# Altium PCB PCB_v2.PcbDoc (part 1 of 2) (continued)
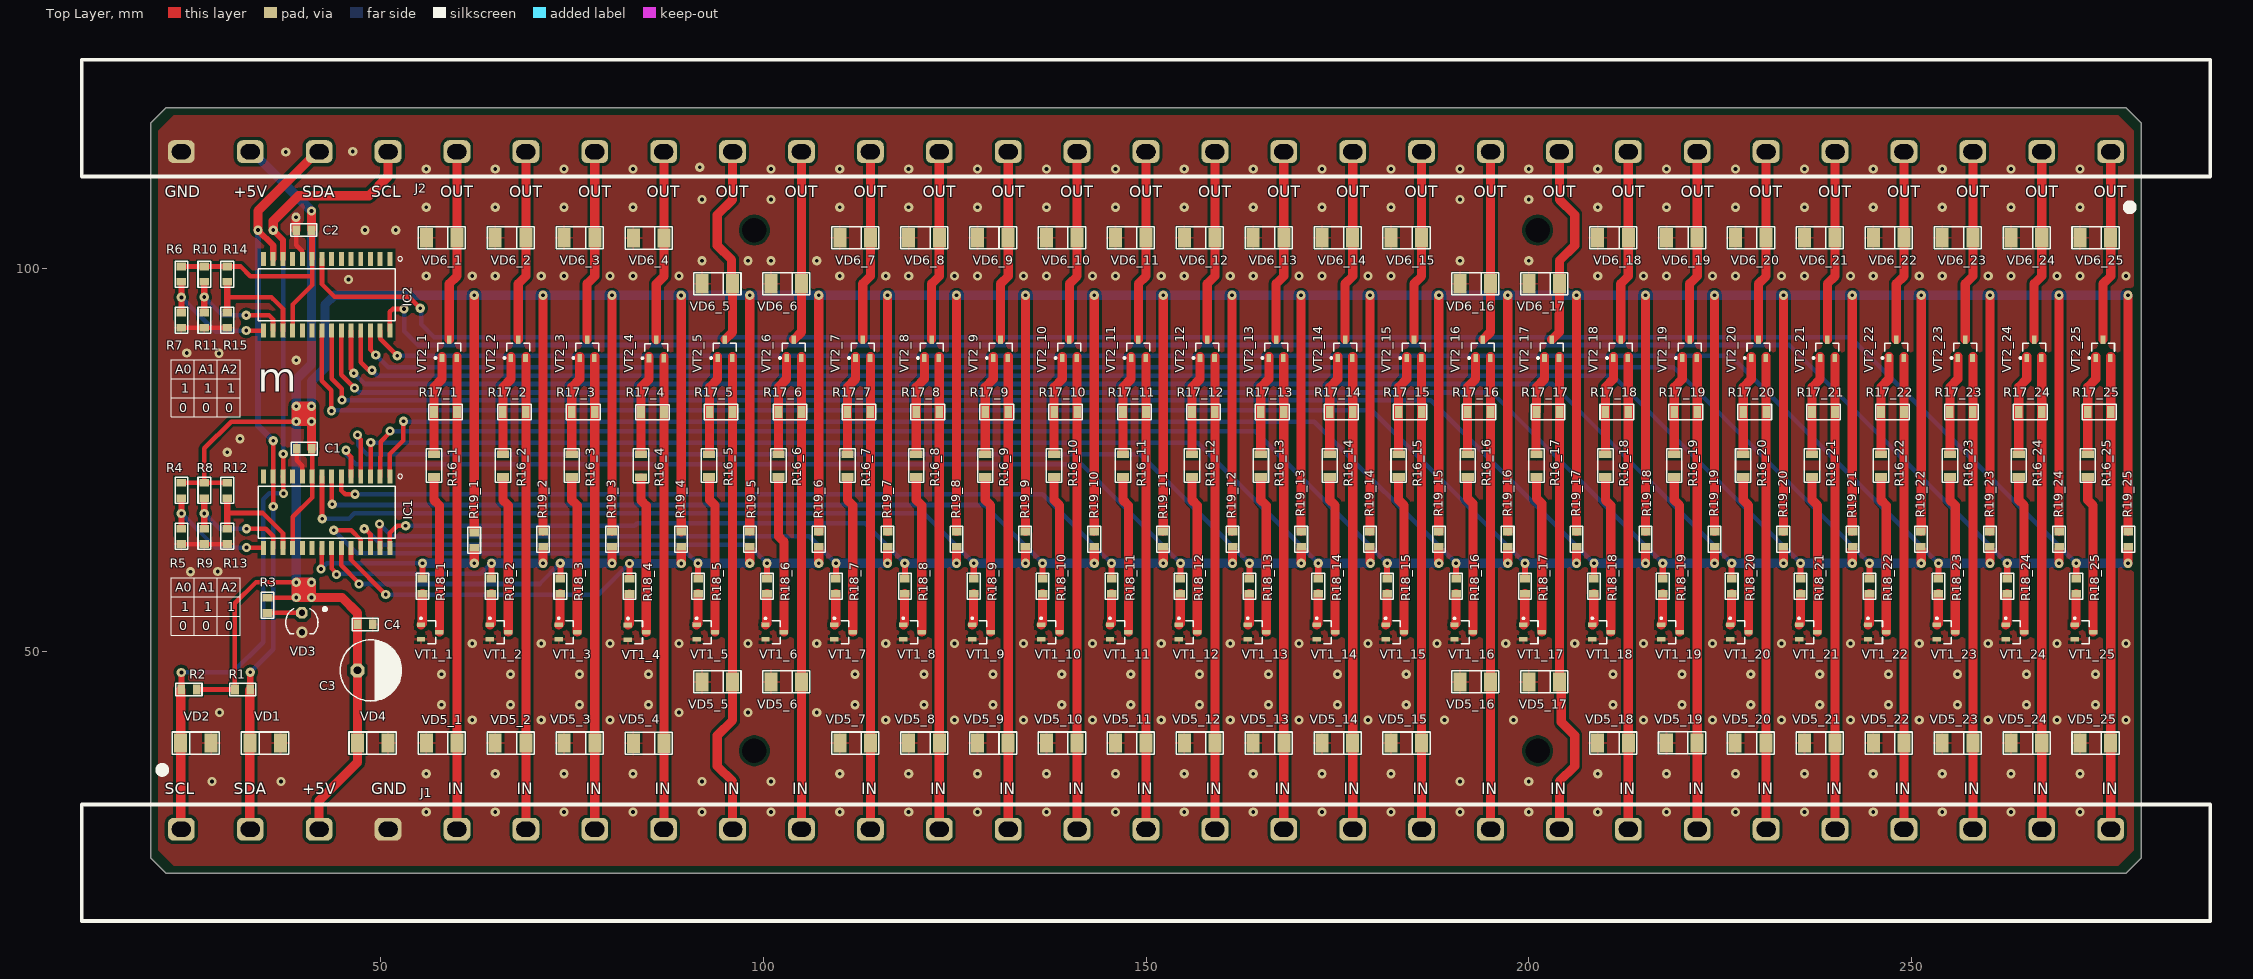
[diagram p0: Top Layer view]
## Components (designator, comment, footprint, x,y, rotation, side; value= is the part's Value field where it differs from the comment) (continued)
R17_14 "Resistor film, 10K, ±5%, 1206, 0.25W, -55...+125°C" "RES: 1206" 175.5,81.25 r180 top value=10K (schematic designator R17)
R17_15 "Resistor film, 10K, ±5%, 1206, 0.25W, -55...+125°C" "RES: 1206" 184.5,81.25 r180 top value=10K (schematic designator R17)
R17_16 "Resistor film, 10K, ±5%, 1206, 0.25W, -55...+125°C" "RES: 1206" 193.5,81.25 r180 top value=10K (schematic designator R17)
R17_17 "Resistor film, 10K, ±5%, 1206, 0.25W, -55...+125°C" "RES: 1206" 202.5,81.25 r180 top value=10K (schematic designator R17)
R17_18 "Resistor film, 10K, ±5%, 1206, 0.25W, -55...+125°C" "RES: 1206" 211.5,81.25 r180 top value=10K (schematic designator R17)
R17_19 "Resistor film, 10K, ±5%, 1206, 0.25W, -55...+125°C" "RES: 1206" 220.5,81.25 r180 top value=10K (schematic designator R17)
R17_20 "Resistor film, 10K, ±5%, 1206, 0.25W, -55...+125°C" "RES: 1206" 229.5,81.25 r180 top value=10K (schematic designator R17)
R17_21 "Resistor film, 10K, ±5%, 1206, 0.25W, -55...+125°C" "RES: 1206" 238.5,81.25 r180 top value=10K (schematic designator R17)
R17_22 "Resistor film, 10K, ±5%, 1206, 0.25W, -55...+125°C" "RES: 1206" 247.5,81.25 r180 top value=10K (schematic designator R17)
R17_23 "Resistor film, 10K, ±5%, 1206, 0.25W, -55...+125°C" "RES: 1206" 256.5,81.25 r180 top value=10K (schematic designator R17)
R17_24 "Resistor film, 10K, ±5%, 1206, 0.25W, -55...+125°C" "RES: 1206" 265.5,81.25 r180 top value=10K (schematic designator R17)
R17_25 "Resistor film, 10K, ±5%, 1206, 0.25W, -55...+125°C" "RES: 1206" 274.5,81.25 r180 top value=10K (schematic designator R17)
R18_1 "Resistor film, 1K, ±5%, 0805, 0.125W, -55...+125°C" "RES: 0805" 55.5,58.5 r270 top value=1K (schematic designator R18)
R18_2 "Resistor film, 1K, ±5%, 0805, 0.125W, -55...+125°C" "RES: 0805" 64.5,58.5 r270 top value=1K (schematic designator R18)
R18_3 "Resistor film, 1K, ±5%, 0805, 0.125W, -55...+125°C" "RES: 0805" 73.5,58.5 r270 top value=1K (schematic designator R18)
R18_4 "Resistor film, 1K, ±5%, 0805, 0.125W, -55...+125°C" "RES: 0805" 82.535,58.475 r270 top value=1K (schematic designator R18)
R18_5 "Resistor film, 1K, ±5%, 0805, 0.125W, -55...+125°C" "RES: 0805" 91.5,58.5 r270 top value=1K (schematic designator R18)
R18_6 "Resistor film, 1K, ±5%, 0805, 0.125W, -55...+125°C" "RES: 0805" 100.5,58.5 r270 top value=1K (schematic designator R18)
R18_7 "Resistor film, 1K, ±5%, 0805, 0.125W, -55...+125°C" "RES: 0805" 109.5,58.5 r270 top value=1K (schematic designator R18)
R18_8 "Resistor film, 1K, ±5%, 0805, 0.125W, -55...+125°C" "RES: 0805" 118.5,58.5 r270 top value=1K (schematic designator R18)
R18_9 "Resistor film, 1K, ±5%, 0805, 0.125W, -55...+125°C" "RES: 0805" 127.5,58.5 r270 top value=1K (schematic designator R18)
R18_10 "Resistor film, 1K, ±5%, 0805, 0.125W, -55...+125°C" "RES: 0805" 136.5,58.5 r270 top value=1K (schematic designator R18)
R18_11 "Resistor film, 1K, ±5%, 0805, 0.125W, -55...+125°C" "RES: 0805" 145.5,58.5 r270 top value=1K (schematic designator R18)
R18_12 "Resistor film, 1K, ±5%, 0805, 0.125W, -55...+125°C" "RES: 0805" 154.5,58.5 r270 top value=1K (schematic designator R18)
R18_13 "Resistor film, 1K, ±5%, 0805, 0.125W, -55...+125°C" "RES: 0805" 163.5,58.5 r270 top value=1K (schematic designator R18)
R18_14 "Resistor film, 1K, ±5%, 0805, 0.125W, -55...+125°C" "RES: 0805" 172.5,58.5 r270 top value=1K (schematic designator R18)
R18_15 "Resistor film, 1K, ±5%, 0805, 0.125W, -55...+125°C" "RES: 0805" 181.5,58.5 r270 top value=1K (schematic designator R18)
R18_16 "Resistor film, 1K, ±5%, 0805, 0.125W, -55...+125°C" "RES: 0805" 190.5,58.5 r270 top value=1K (schematic designator R18)
R18_17 "Resistor film, 1K, ±5%, 0805, 0.125W, -55...+125°C" "RES: 0805" 199.5,58.5 r270 top value=1K (schematic designator R18)
R18_18 "Resistor film, 1K, ±5%, 0805, 0.125W, -55...+125°C" "RES: 0805" 208.5,58.5 r270 top value=1K (schematic designator R18)
R18_19 "Resistor film, 1K, ±5%, 0805, 0.125W, -55...+125°C" "RES: 0805" 217.5,58.5 r270 top value=1K (schematic designator R18)
R18_20 "Resistor film, 1K, ±5%, 0805, 0.125W, -55...+125°C" "RES: 0805" 226.5,58.5 r270 top value=1K (schematic designator R18)
R18_21 "Resistor film, 1K, ±5%, 0805, 0.125W, -55...+125°C" "RES: 0805" 235.5,58.5 r270 top value=1K (schematic designator R18)
R18_22 "Resistor film, 1K, ±5%, 0805, 0.125W, -55...+125°C" "RES: 0805" 244.5,58.5 r270 top value=1K (schematic designator R18)
R18_23 "Resistor film, 1K, ±5%, 0805, 0.125W, -55...+125°C" "RES: 0805" 253.5,58.5 r270 top value=1K (schematic designator R18)
R18_24 "Resistor film, 1K, ±5%, 0805, 0.125W, -55...+125°C" "RES: 0805" 262.5,58.5 r270 top value=1K (schematic designator R18)
R18_25 "Resistor film, 1K, ±5%, 0805, 0.125W, -55...+125°C" "RES: 0805" 271.5,58.5 r270 top value=1K (schematic designator R18)
R19_1 "Resistor film, 1K, ±5%, 0805, 0.125W, -55...+125°C" "RES: 0805" 62.25,64.5 r90 top value=1K (schematic designator R19)
R19_2 "Resistor film, 1K, ±5%, 0805, 0.125W, -55...+125°C" "RES: 0805" 71.25,64.64 r90 top value=1K (schematic designator R19)
R19_3 "Resistor film, 1K, ±5%, 0805, 0.125W, -55...+125°C" "RES: 0805" 80.25,64.64 r90 top value=1K (schematic designator R19)
R19_4 "Resistor film, 1K, ±5%, 0805, 0.125W, -55...+125°C" "RES: 0805" 89.275,64.64 r90 top value=1K (schematic designator R19)
R19_5 "Resistor film, 1K, ±5%, 0805, 0.125W, -55...+125°C" "RES: 0805" 98.254,64.64 r90 top value=1K (schematic designator R19)
R19_6 "Resistor film, 1K, ±5%, 0805, 0.125W, -55...+125°C" "RES: 0805" 107.251,64.64 r90 top value=1K (schematic designator R19)
R19_7 "Resistor film, 1K, ±5%, 0805, 0.125W, -55...+125°C" "RES: 0805" 116.256,64.64 r90 top value=1K (schematic designator R19)
R19_8 "Resistor film, 1K, ±5%, 0805, 0.125W, -55...+125°C" "RES: 0805" 125.266,64.64 r90 top value=1K (schematic designator R19)
R19_9 "Resistor film, 1K, ±5%, 0805, 0.125W, -55...+125°C" "RES: 0805" 134.204,64.64 r90 top value=1K (schematic designator R19)
R19_10 "Resistor film, 1K, ±5%, 0805, 0.125W, -55...+125°C" "RES: 0805" 143.243,64.64 r90 top value=1K (schematic designator R19)
R19_11 "Resistor film, 1K, ±5%, 0805, 0.125W, -55...+125°C" "RES: 0805" 152.216,64.64 r90 top value=1K (schematic designator R19)
R19_12 "Resistor film, 1K, ±5%, 0805, 0.125W, -55...+125°C" "RES: 0805" 161.312,64.64 r90 top value=1K (schematic designator R19)
R19_13 "Resistor film, 1K, ±5%, 0805, 0.125W, -55...+125°C" "RES: 0805" 170.269,64.64 r90 top value=1K (schematic designator R19)
R19_14 "Resistor film, 1K, ±5%, 0805, 0.125W, -55...+125°C" "RES: 0805" 179.247,64.64 r90 top value=1K (schematic designator R19)
R19_15 "Resistor film, 1K, ±5%, 0805, 0.125W, -55...+125°C" "RES: 0805" 188.25,64.64 r90 top value=1K (schematic designator R19)
R19_16 "Resistor film, 1K, ±5%, 0805, 0.125W, -55...+125°C" "RES: 0805" 197.243,64.64 r90 top value=1K (schematic designator R19)
R19_17 "Resistor film, 1K, ±5%, 0805, 0.125W, -55...+125°C" "RES: 0805" 206.249,64.64 r90 top value=1K (schematic designator R19)
R19_18 "Resistor film, 1K, ±5%, 0805, 0.125W, -55...+125°C" "RES: 0805" 215.25,64.64 r90 top value=1K (schematic designator R19)
R19_19 "Resistor film, 1K, ±5%, 0805, 0.125W, -55...+125°C" "RES: 0805" 224.269,64.64 r90 top value=1K (schematic designator R19)
R19_20 "Resistor film, 1K, ±5%, 0805, 0.125W, -55...+125°C" "RES: 0805" 233.229,64.64 r90 top value=1K (schematic designator R19)
R19_21 "Resistor film, 1K, ±5%, 0805, 0.125W, -55...+125°C" "RES: 0805" 242.287,64.64 r90 top value=1K (schematic designator R19)
R19_22 "Resistor film, 1K, ±5%, 0805, 0.125W, -55...+125°C" "RES: 0805" 251.211,64.64 r90 top value=1K (schematic designator R19)
R19_23 "Resistor film, 1K, ±5%, 0805, 0.125W, -55...+125°C" "RES: 0805" 260.227,64.64 r90 top value=1K (schematic designator R19)
R19_24 "Resistor film, 1K, ±5%, 0805, 0.125W, -55...+125°C" "RES: 0805" 269.275,64.64 r90 top value=1K (schematic designator R19)
R19_25 "Resistor film, 1K, ±5%, 0805, 0.125W, -55...+125°C" "RES: 0805" 278.305,64.64 r90 top value=1K (schematic designator R19)
VD1 "Single diode, 75V, 150mA, 1V, 4ns, SOD-323, -55...+150°C" "DIODE: SMA" 34.95,38 r180 top
VD2 "Single diode, 75V, 150mA, 1V, 4ns, SOD-323, -55...+150°C" "DIODE: SMA" 25.9,38 r180 top
VD3 "LED, Green, *, *, *, -55...+150°C" 1224HRC5 39.75,53.75 r270 top
VD4 "Single diode, 75V, 150mA, 1V, 4ns, SOD-323, -55...+150°C" "DIODE: SMA" 49,38 r180 top
VD5_1 "Single diode, 75V, 150mA, 1V, 4ns, SOD-323, -55...+150°C" "DIODE: SMA" 58,38 r0 top (schematic designator VD5)
VD5_2 "Single diode, 75V, 150mA, 1V, 4ns, SOD-323, -55...+150°C" "DIODE: SMA" 67,38 r0 top (schematic designator VD5)
VD5_3 "Single diode, 75V, 150mA, 1V, 4ns, SOD-323, -55...+150°C" "DIODE: SMA" 76,38 r0 top (schematic designator VD5)
VD5_4 "Single diode, 75V, 150mA, 1V, 4ns, SOD-323, -55...+150°C" "DIODE: SMA" 85.035,37.975 r0 top (schematic designator VD5)
VD5_5 "Single diode, 75V, 150mA, 1V, 4ns, SOD-323, -55...+150°C" "DIODE: SMA" 94,46 r0 top (schematic designator VD5)
VD5_6 "Single diode, 75V, 150mA, 1V, 4ns, SOD-323, -55...+150°C" "DIODE: SMA" 103,46 r0 top (schematic designator VD5)
VD5_7 "Single diode, 75V, 150mA, 1V, 4ns, SOD-323, -55...+150°C" "DIODE: SMA" 112,38 r0 top (schematic designator VD5)
VD5_8 "Single diode, 75V, 150mA, 1V, 4ns, SOD-323, -55...+150°C" "DIODE: SMA" 121,38 r0 top (schematic designator VD5)
VD5_9 "Single diode, 75V, 150mA, 1V, 4ns, SOD-323, -55...+150°C" "DIODE: SMA" 130,38 r0 top (schematic designator VD5)
VD5_10 "Single diode, 75V, 150mA, 1V, 4ns, SOD-323, -55...+150°C" "DIODE: SMA" 139,38 r0 top (schematic designator VD5)
VD5_11 "Single diode, 75V, 150mA, 1V, 4ns, SOD-323, -55...+150°C" "DIODE: SMA" 148,38 r0 top (schematic designator VD5)
VD5_12 "Single diode, 75V, 150mA, 1V, 4ns, SOD-323, -55...+150°C" "DIODE: SMA" 157,38 r0 top (schematic designator VD5)
VD5_13 "Single diode, 75V, 150mA, 1V, 4ns, SOD-323, -55...+150°C" "DIODE: SMA" 166,38 r0 top (schematic designator VD5)
VD5_14 "Single diode, 75V, 150mA, 1V, 4ns, SOD-323, -55...+150°C" "DIODE: SMA" 175,38 r0 top (schematic designator VD5)
VD5_15 "Single diode, 75V, 150mA, 1V, 4ns, SOD-323, -55...+150°C" "DIODE: SMA" 184,38 r0 top (schematic designator VD5)
VD5_16 "Single diode, 75V, 150mA, 1V, 4ns, SOD-323, -55...+150°C" "DIODE: SMA" 193,46 r0 top (schematic designator VD5)
VD5_17 "Single diode, 75V, 150mA, 1V, 4ns, SOD-323, -55...+150°C" "DIODE: SMA" 202,46 r0 top (schematic designator VD5)
VD5_18 "Single diode, 75V, 150mA, 1V, 4ns, SOD-323, -55...+150°C" "DIODE: SMA" 211,38 r0 top (schematic designator VD5)
VD5_19 "Single diode, 75V, 150mA, 1V, 4ns, SOD-323, -55...+150°C" "DIODE: SMA" 219.99,38.03 r0 top (schematic designator VD5)
VD5_20 "Single diode, 75V, 150mA, 1V, 4ns, SOD-323, -55...+150°C" "DIODE: SMA" 228.964,38 r0 top (schematic designator VD5)
VD5_21 "Single diode, 75V, 150mA, 1V, 4ns, SOD-323, -55...+150°C" "DIODE: SMA" 238,38 r0 top (schematic designator VD5)
VD5_22 "Single diode, 75V, 150mA, 1V, 4ns, SOD-323, -55...+150°C" "DIODE: SMA" 247,38 r0 top (schematic designator VD5)
VD5_23 "Single diode, 75V, 150mA, 1V, 4ns, SOD-323, -55...+150°C" "DIODE: SMA" 256,38 r0 top (schematic designator VD5)
VD5_24 "Single diode, 75V, 150mA, 1V, 4ns, SOD-323, -55...+150°C" "DIODE: SMA" 265,38 r0 top (schematic designator VD5)
VD5_25 "Single diode, 75V, 150mA, 1V, 4ns, SOD-323, -55...+150°C" "DIODE: SMA" 274,38 r0 top (schematic designator VD5)
VD6_1 "Single diode, 75V, 150mA, 1V, 4ns, SOD-323, -55...+150°C" "DIODE: SMA" 58,104 r0 top (schematic designator VD6)
VD6_2 "Single diode, 75V, 150mA, 1V, 4ns, SOD-323, -55...+150°C" "DIODE: SMA" 67,104 r0 top (schematic designator VD6)
VD6_3 "Single diode, 75V, 150mA, 1V, 4ns, SOD-323, -55...+150°C" "DIODE: SMA" 76,104 r0 top (schematic designator VD6)
VD6_4 "Single diode, 75V, 150mA, 1V, 4ns, SOD-323, -55...+150°C" "DIODE: SMA" 85.035,103.975 r0 top (schematic designator VD6)
VD6_5 "Single diode, 75V, 150mA, 1V, 4ns, SOD-323, -55...+150°C" "DIODE: SMA" 94,98 r0 top (schematic designator VD6)
VD6_6 "Single diode, 75V, 150mA, 1V, 4ns, SOD-323, -55...+150°C" "DIODE: SMA" 103,98 r0 top (schematic designator VD6)
VD6_7 "Single diode, 75V, 150mA, 1V, 4ns, SOD-323, -55...+150°C" "DIODE: SMA" 112,104 r0 top (schematic designator VD6)
VD6_8 "Single diode, 75V, 150mA, 1V, 4ns, SOD-323, -55...+150°C" "DIODE: SMA" 121,104 r0 top (schematic designator VD6)
VD6_9 "Single diode, 75V, 150mA, 1V, 4ns, SOD-323, -55...+150°C" "DIODE: SMA" 130,104 r0 top (schematic designator VD6)
VD6_10 "Single diode, 75V, 150mA, 1V, 4ns, SOD-323, -55...+150°C" "DIODE: SMA" 139,104 r0 top (schematic designator VD6)
VD6_11 "Single diode, 75V, 150mA, 1V, 4ns, SOD-323, -55...+150°C" "DIODE: SMA" 148,104 r0 top (schematic designator VD6)
VD6_12 "Single diode, 75V, 150mA, 1V, 4ns, SOD-323, -55...+150°C" "DIODE: SMA" 157,104 r0 top (schematic designator VD6)
VD6_13 "Single diode, 75V, 150mA, 1V, 4ns, SOD-323, -55...+150°C" "DIODE: SMA" 166,104 r0 top (schematic designator VD6)
VD6_14 "Single diode, 75V, 150mA, 1V, 4ns, SOD-323, -55...+150°C" "DIODE: SMA" 175,104 r0 top (schematic designator VD6)
VD6_15 "Single diode, 75V, 150mA, 1V, 4ns, SOD-323, -55...+150°C" "DIODE: SMA" 184,104 r0 top (schematic designator VD6)
VD6_16 "Single diode, 75V, 150mA, 1V, 4ns, SOD-323, -55...+150°C" "DIODE: SMA" 193,98 r0 top (schematic designator VD6)
VD6_17 "Single diode, 75V, 150mA, 1V, 4ns, SOD-323, -55...+150°C" "DIODE: SMA" 202,98 r0 top (schematic designator VD6)
VD6_18 "Single diode, 75V, 150mA, 1V, 4ns, SOD-323, -55...+150°C" "DIODE: SMA" 211,104 r0 top (schematic designator VD6)
VD6_19 "Single diode, 75V, 150mA, 1V, 4ns, SOD-323, -55...+150°C" "DIODE: SMA" 220,104 r0 top (schematic designator VD6)
VD6_20 "Single diode, 75V, 150mA, 1V, 4ns, SOD-323, -55...+150°C" "DIODE: SMA" 229,104 r0 top (schematic designator VD6)
VD6_21 "Single diode, 75V, 150mA, 1V, 4ns, SOD-323, -55...+150°C" "DIODE: SMA" 238,104 r0 top (schematic designator VD6)
VD6_22 "Single diode, 75V, 150mA, 1V, 4ns, SOD-323, -55...+150°C" "DIODE: SMA" 247,104 r0 top (schematic designator VD6)
VD6_23 "Single diode, 75V, 150mA, 1V, 4ns, SOD-323, -55...+150°C" "DIODE: SMA" 256,104 r0 top (schematic designator VD6)
VD6_24 "Single diode, 75V, 150mA, 1V, 4ns, SOD-323, -55...+150°C" "DIODE: SMA" 265,104 r0 top (schematic designator VD6)
VD6_25 "Single diode, 75V, 150mA, 1V, 4ns, SOD-323, -55...+150°C" "DIODE: SMA" 274,104 r0 top (schematic designator VD6)
VT1_1 "NPN transistor, 45V, 100mA, 100MHz, 300mW, 0.6V, 420, SOT-23, -55...+125°C" SOT23 56.5,52.5 r0 top (schematic designator VT1)
VT1_2 "NPN transistor, 45V, 100mA, 100MHz, 300mW, 0.6V, 420, SOT-23, -55...+125°C" SOT23 65.5,52.5 r0 top (schematic designator VT1)
VT1_3 "NPN transistor, 45V, 100mA, 100MHz, 300mW, 0.6V, 420, SOT-23, -55...+125°C" SOT23 74.5,52.5 r0 top (schematic designator VT1)
VT1_4 "NPN transistor, 45V, 100mA, 100MHz, 300mW, 0.6V, 420, SOT-23, -55...+125°C" SOT23 83.535,52.475 r0 top (schematic designator VT1)
VT1_5 "NPN transistor, 45V, 100mA, 100MHz, 300mW, 0.6V, 420, SOT-23, -55...+125°C" SOT23 92.5,52.5 r0 top (schematic designator VT1)
VT1_6 "NPN transistor, 45V, 100mA, 100MHz, 300mW, 0.6V, 420, SOT-23, -55...+125°C" SOT23 101.5,52.5 r0 top (schematic designator VT1)
VT1_7 "NPN transistor, 45V, 100mA, 100MHz, 300mW, 0.6V, 420, SOT-23, -55...+125°C" SOT23 110.5,52.5 r0 top (schematic designator VT1)
VT1_8 "NPN transistor, 45V, 100mA, 100MHz, 300mW, 0.6V, 420, SOT-23, -55...+125°C" SOT23 119.5,52.5 r0 top (schematic designator VT1)
VT1_9 "NPN transistor, 45V, 100mA, 100MHz, 300mW, 0.6V, 420, SOT-23, -55...+125°C" SOT23 128.5,52.5 r0 top (schematic designator VT1)
VT1_10 "NPN transistor, 45V, 100mA, 100MHz, 300mW, 0.6V, 420, SOT-23, -55...+125°C" SOT23 137.5,52.5 r0 top (schematic designator VT1)
VT1_11 "NPN transistor, 45V, 100mA, 100MHz, 300mW, 0.6V, 420, SOT-23, -55...+125°C" SOT23 146.5,52.5 r0 top (schematic designator VT1)
VT1_12 "NPN transistor, 45V, 100mA, 100MHz, 300mW, 0.6V, 420, SOT-23, -55...+125°C" SOT23 155.5,52.5 r0 top (schematic designator VT1)
VT1_13 "NPN transistor, 45V, 100mA, 100MHz, 300mW, 0.6V, 420, SOT-23, -55...+125°C" SOT23 164.5,52.5 r0 top (schematic designator VT1)
VT1_14 "NPN transistor, 45V, 100mA, 100MHz, 300mW, 0.6V, 420, SOT-23, -55...+125°C" SOT23 173.5,52.5 r0 top (schematic designator VT1)
VT1_15 "NPN transistor, 45V, 100mA, 100MHz, 300mW, 0.6V, 420, SOT-23, -55...+125°C" SOT23 182.5,52.5 r0 top (schematic designator VT1)
VT1_16 "NPN transistor, 45V, 100mA, 100MHz, 300mW, 0.6V, 420, SOT-23, -55...+125°C" SOT23 191.5,52.5 r0 top (schematic designator VT1)
VT1_17 "NPN transistor, 45V, 100mA, 100MHz, 300mW, 0.6V, 420, SOT-23, -55...+125°C" SOT23 200.5,52.5 r0 top (schematic designator VT1)
VT1_18 "NPN transistor, 45V, 100mA, 100MHz, 300mW, 0.6V, 420, SOT-23, -55...+125°C" SOT23 209.5,52.5 r0 top (schematic designator VT1)
VT1_19 "NPN transistor, 45V, 100mA, 100MHz, 300mW, 0.6V, 420, SOT-23, -55...+125°C" SOT23 218.5,52.5 r0 top (schematic designator VT1)
VT1_20 "NPN transistor, 45V, 100mA, 100MHz, 300mW, 0.6V, 420, SOT-23, -55...+125°C" SOT23 227.5,52.5 r0 top (schematic designator VT1)
VT1_21 "NPN transistor, 45V, 100mA, 100MHz, 300mW, 0.6V, 420, SOT-23, -55...+125°C" SOT23 236.5,52.5 r0 top (schematic designator VT1)
VT1_22 "NPN transistor, 45V, 100mA, 100MHz, 300mW, 0.6V, 420, SOT-23, -55...+125°C" SOT23 245.5,52.5 r0 top (schematic designator VT1)
VT1_23 "NPN transistor, 45V, 100mA, 100MHz, 300mW, 0.6V, 420, SOT-23, -55...+125°C" SOT23 254.5,52.5 r0 top (schematic designator VT1)
VT1_24 "NPN transistor, 45V, 100mA, 100MHz, 300mW, 0.6V, 420, SOT-23, -55...+125°C" SOT23 263.5,52.5 r0 top (schematic designator VT1)
VT1_25 "NPN transistor, 45V, 100mA, 100MHz, 300mW, 0.6V, 420, SOT-23, -55...+125°C" SOT23 272.5,52.5 r0 top (schematic designator VT1)
VT2_1 "PNP transistor, 45V, 100mA, 100MHz, 300mW, 0.65V, 220, SOT-23, -55...+125°C" SOT23 59,89.5 r90 top (schematic designator VT2)
VT2_2 "PNP transistor, 45V, 100mA, 100MHz, 300mW, 0.65V, 220, SOT-23, -55...+125°C" SOT23 68,89.5 r90 top (schematic designator VT2)
VT2_3 "PNP transistor, 45V, 100mA, 100MHz, 300mW, 0.65V, 220, SOT-23, -55...+125°C" SOT23 77,89.5 r90 top (schematic designator VT2)
VT2_4 "PNP transistor, 45V, 100mA, 100MHz, 300mW, 0.65V, 220, SOT-23, -55...+125°C" SOT23 86.035,89.475 r90 top (schematic designator VT2)
VT2_5 "PNP transistor, 45V, 100mA, 100MHz, 300mW, 0.65V, 220, SOT-23, -55...+125°C" SOT23 95,89.5 r90 top (schematic designator VT2)
VT2_6 "PNP transistor, 45V, 100mA, 100MHz, 300mW, 0.65V, 220, SOT-23, -55...+125°C" SOT23 104,89.5 r90 top (schematic designator VT2)
VT2_7 "PNP transistor, 45V, 100mA, 100MHz, 300mW, 0.65V, 220, SOT-23, -55...+125°C" SOT23 113,89.5 r90 top (schematic designator VT2)
VT2_8 "PNP transistor, 45V, 100mA, 100MHz, 300mW, 0.65V, 220, SOT-23, -55...+125°C" SOT23 122,89.5 r90 top (schematic designator VT2)
VT2_9 "PNP transistor, 45V, 100mA, 100MHz, 300mW, 0.65V, 220, SOT-23, -55...+125°C" SOT23 131,89.5 r90 top (schematic designator VT2)
VT2_10 "PNP transistor, 45V, 100mA, 100MHz, 300mW, 0.65V, 220, SOT-23, -55...+125°C" SOT23 140,89.5 r90 top (schematic designator VT2)
VT2_11 "PNP transistor, 45V, 100mA, 100MHz, 300mW, 0.65V, 220, SOT-23, -55...+125°C" SOT23 149,89.5 r90 top (schematic designator VT2)
VT2_12 "PNP transistor, 45V, 100mA, 100MHz, 300mW, 0.65V, 220, SOT-23, -55...+125°C" SOT23 158,89.5 r90 top (schematic designator VT2)
VT2_13 "PNP transistor, 45V, 100mA, 100MHz, 300mW, 0.65V, 220, SOT-23, -55...+125°C" SOT23 167,89.5 r90 top (schematic designator VT2)
VT2_14 "PNP transistor, 45V, 100mA, 100MHz, 300mW, 0.65V, 220, SOT-23, -55...+125°C" SOT23 176,89.5 r90 top (schematic designator VT2)
VT2_15 "PNP transistor, 45V, 100mA, 100MHz, 300mW, 0.65V, 220, SOT-23, -55...+125°C" SOT23 185,89.5 r90 top (schematic designator VT2)
VT2_16 "PNP transistor, 45V, 100mA, 100MHz, 300mW, 0.65V, 220, SOT-23, -55...+125°C" SOT23 194,89.5 r90 top (schematic designator VT2)
VT2_17 "PNP transistor, 45V, 100mA, 100MHz, 300mW, 0.65V, 220, SOT-23, -55...+125°C" SOT23 203,89.5 r90 top (schematic designator VT2)
VT2_18 "PNP transistor, 45V, 100mA, 100MHz, 300mW, 0.65V, 220, SOT-23, -55...+125°C" SOT23 212,89.5 r90 top (schematic designator VT2)
VT2_19 "PNP transistor, 45V, 100mA, 100MHz, 300mW, 0.65V, 220, SOT-23, -55...+125°C" SOT23 221,89.5 r90 top (schematic designator VT2)
VT2_20 "PNP transistor, 45V, 100mA, 100MHz, 300mW, 0.65V, 220, SOT-23, -55...+125°C" SOT23 230,89.5 r90 top (schematic designator VT2)
VT2_21 "PNP transistor, 45V, 100mA, 100MHz, 300mW, 0.65V, 220, SOT-23, -55...+125°C" SOT23 239,89.5 r90 top (schematic designator VT2)
VT2_22 "PNP transistor, 45V, 100mA, 100MHz, 300mW, 0.65V, 220, SOT-23, -55...+125°C" SOT23 248,89.5 r90 top (schematic designator VT2)
VT2_23 "PNP transistor, 45V, 100mA, 100MHz, 300mW, 0.65V, 220, SOT-23, -55...+125°C" SOT23 257,89.5 r90 top (schematic designator VT2)
VT2_24 "PNP transistor, 45V, 100mA, 100MHz, 300mW, 0.65V, 220, SOT-23, -55...+125°C" SOT23 266,89.5 r90 top (schematic designator VT2)
VT2_25 "PNP transistor, 45V, 100mA, 100MHz, 300mW, 0.65V, 220, SOT-23, -55...+125°C" SOT23 275,89.5 r90 top (schematic designator VT2)

## Footprints (in the part's own frame and the unit in brackets; to place one, negate y for a bottom-side part, rotate by r counter-clockwise, add the part's x,y. Pads: shape width x height; smd on the part's side, far side on the other; paste and mask are expansions set on the pad)
1224HRC5 [mm]
  oct 1.5x1.5 hole 0.8: 1(-1.27,0)
  round 1.5 hole 0.8: 2(1.27,0)
  silkscreen extent -1.82,-2.13 1.48,2.1, body extent -2,-2 2,2, height 12
"CAP: 0805" [mm]
  rect 1x1.25 smd: 1(-1,0) 2(1,0)
  silkscreen extent -1.7,-0.82 1.7,0.82, body extent -1,-0.62 1,0.63, height 0.78
"CAP: D8C3.5H12" [mm]
  oct 1.8x1.8 hole 1: 1(-1.75,0)
  round 1.8 hole 1: 2(1.75,0)
  silkscreen extent -4,-4 4,4, body extent -4.25,-4.25 4.25,4.25, height 13
Connector_29pin [mm]
  rrect50% 3.5x3 hole 2 slot 2.5 at 0 deg: 1(-126,0) 2(-117,0) 3(-108,0) 4(-99,0) 5(-90,0) 6(-81,0) 7(-72,0) 8(-63,0) 9(-54,0) 10(-45,0) 11(-36,0) 12(-27,0) 13(-18,0) 14(-9,0) 15(0,0) 16(9,0) 17(18,0) 18(27,0) 19(36,0) 20(45,0) 21(54,0) 22(63,0) 23(72,0) 24(81,0) 25(90,0) 26(99,0) 27(108,0) 28(117,0) 29(126,0)
  silkscreen extent -139,-12 139,8.15
"DIODE: SMA" [mm]
  rect 1.7x2.5 smd: 1(-2,0) 2(2,0)
  round 0.5 on Mech1: ""(2,0.9)
  silkscreen extent -3.05,-1.45 3.1,1.45, body extent -2.5,-1.35 2.5,1.35, height 2.28
"RES: 0805" [mm]
  rect 1x1.25 smd: 1(-1,0) 2(1,0)
  silkscreen extent -1.7,-0.82 1.7,0.82, body extent -1,-0.6 1,0.6, height 0.44
"RES: 1206" [mm]
  rect 1x1.6 smd: 1(-1.5,0) 2(1.5,0)
  silkscreen extent -2.2,-1 2.2,1, body extent -1.65,-0.8 1.55,0.8, height 0.47
SOIC127P1030X265-28N [mm]
  rect 1.85x0.65 smd: 1(-4.675,8.255) 2(-4.675,6.985) 3(-4.675,5.715) 4(-4.675,4.445) 5(-4.675,3.175) 6(-4.675,1.905) 7(-4.675,0.635) 8(-4.675,-0.635) 9(-4.675,-1.905) 10(-4.675,-3.175) 11(-4.675,-4.445) 12(-4.675,-5.715) 13(-4.675,-6.985) 14(-4.675,-8.255) 15(4.675,-8.255) 16(4.675,-6.985) 17(4.675,-5.715) 18(4.675,-4.445) 19(4.675,-3.175) 20(4.675,-1.905) 21(4.675,-0.635) 22(4.675,0.635) 23(4.675,1.905) 24(4.675,3.175) 25(4.675,4.445) 26(4.675,5.715) 27(4.675,6.985) 28(4.675,8.255)
  silkscreen extent -5,-8.95 3.4,9.9, body extent -5.15,-8.95 5.15,8.95, height 2.65
SOT23 [mm]
  rect 1.1x0.6 smd: 1(-1.2,0.95) 2(-1.2,-0.95) 3(1.2,0)
  round 0.5 on Mech1: ""(-0.9,1.1)
  silkscreen extent -1.32,-1.5 0.7,1.92, body extent -1.32,-1.52 1.32,1.52, height 1.12

## Part data
C1 C2 C4: library part Ceramic_0805, Manufacturer=Yageo, Package=0805, PartNumber=CC0805KRX7R7BB104, Temperature=-55...+125°C, Tolerance=±10%, TypeCapacitor="Ceramic capacitor", TypeDielectric=X7R, Voltage=16V, HelpURL=https://www.digikey.com/product-detail/en/yageo/CC0805KRX7R7BB104/311-1142-1-ND/303052, ValueManufacturerPartNumber="Ceramic capacitor, 0,1мкФ, X7R, ±10%, 16V, 0805, -55...+125°C"
C3: library part Aluminium, Manufacturer=Wurth, Package="14x10x5 mm", PartNumber=860080475013, Temperature=-55...+105°C, Tolerance=±20%, TypeCapacitor="Aluminium capacitor", Voltage=35V, HelpURL=https://www.digikey.com/product-detail/en/wurth-electronics-inc/860080475013/732-9029-1-ND/5728972, Impedance=54mOhm, ValueManufacturerPartNumber="Aluminium capacitor, 100мкФ, 35V, ±20%, 54mOhm, 14x10x5 mm, -55...+105°C"
IC1 IC2: "Integrated Circuit", Arrow Part Number=MCP23017-E/SO, Manufacturer_Name=Microchip, Mouser Part Number=579-MCP23017-E/SO, Arrow Price/Stock=https://www.arrow.com/en/products/mcp23017-eso/microchip-technology, Datasheet Link=http://docs-emea.rs-online.com/webdocs/0a78/0900766b80a784c3.pdf, Height=2.65mm, Manufacturer_Part_Number=MCP23017-E/SO, Mouser Price/Stock=https://www.mouser.co.uk/ProductDetail/Microchip-Technology/MCP23017-E-SO?qs=usxtMOJb1Rz8hft7vV7YMQ%3D%3D
J1 J2: "Connector 29 pin"
R1 R2 R3 R4 R5 R6 R7 R8 R9 R10 R11 R12 R13 R14 R15 R18_1 R18_2 R18_3 R18_4 R18_5 R18_6 R18_7 R18_8 R18_9 R18_10 R18_11 R18_12 R18_13 R18_14 R18_15 R18_16 R18_17 R18_18 R18_19 R18_20 R18_21 R18_22 R18_23 R18_24 R18_25 R19_1 R19_2 R19_3 R19_4 R19_5 R19_6 R19_7 R19_8 R19_9 R19_10 R19_11 R19_12 R19_13 R19_14 R19_15 R19_16 R19_17 R19_18 R19_19 R19_20 R19_21 R19_22 R19_23 R19_24 R19_25: library part Resistor_0805, Manufacturer=Yageo, Package=0805, PartNumber=RC0805JR-07100RL, Power=0.125W, Temperature=-55...+125°C, Tolerance=±5%, TypeResistor="Resistor film", HelpURL=https://www.digikey.com/product-detail/en/yageo/RC0805JR-07100RL/311-100ARCT-ND/731185
  R1 R2 R3 R18_1 R18_2 R18_3 R18_4 R18_5 R18_6 R18_7 R18_8 R18_9 R18_10 R18_11 R18_12 R18_13 R18_14 R18_15 R18_16 R18_17 R18_18 R18_19 R18_20 R18_21 R18_22 R18_23 R18_24 R18_25 R19_1 R19_2 R19_3 R19_4 R19_5 R19_6 R19_7 R19_8 R19_9 R19_10 R19_11 R19_12 R19_13 R19_14 R19_15 R19_16 R19_17 R19_18 R19_19 R19_20 R19_21 R19_22 R19_23 R19_24 R19_25: ValueManufacturerPartNumber="Resistor film, 1K, ±5%, 0805, 0.125W, -55...+125°C"
  R4 R6 R8 R10 R12 R14: ValueManufacturerPartNumber="Resistor film, 4К7, ±5%, 0805, 0.125W, -55...+125°C"
  R5 R7 R9 R11 R13 R15: ValueManufacturerPartNumber="Resistor film, 0, ±5%, 0805, 0.125W, -55...+125°C"
R16_1 R16_2 R16_3 R16_4 R16_5 R16_6 R16_7 R16_8 R16_9 R16_10 R16_11 R16_12 R16_13 R16_14 R16_15 R16_16 R16_17 R16_18 R16_19 R16_20 R16_21 R16_22 R16_23 R16_24 R16_25 R17_1 R17_2 R17_3 R17_4 R17_5 R17_6 R17_7 R17_8 R17_9 R17_10 R17_11 R17_12 R17_13 R17_14 R17_15 R17_16 R17_17 R17_18 R17_19 R17_20 R17_21 R17_22 R17_23 R17_24 R17_25: library part Resistor_1206, Manufacturer=Yageo, Package=1206, PartNumber=RC1206JR-07100RL, Power=0.25W, Temperature=-55...+125°C, Tolerance=±5%, TypeResistor="Resistor film", HelpURL=https://www.digikey.com/product-detail/en/yageo/RC1206JR-07100RL/311-100ERCT-ND/732153
  R16_1 R16_2 R16_3 R16_4 R16_5 R16_6 R16_7 R16_8 R16_9 R16_10 R16_11 R16_12 R16_13 R16_14 R16_15 R16_16 R16_17 R16_18 R16_19 R16_20 R16_21 R16_22 R16_23 R16_24 R16_25: ValueManufacturerPartNumber="Resistor film, 1K, ±5%, 1206, 0.25W, -55...+125°C"
  R17_1 R17_2 R17_3 R17_4 R17_5 R17_6 R17_7 R17_8 R17_9 R17_10 R17_11 R17_12 R17_13 R17_14 R17_15 R17_16 R17_17 R17_18 R17_19 R17_20 R17_21 R17_22 R17_23 R17_24 R17_25: ValueManufacturerPartNumber="Resistor film, 10K, ±5%, 1206, 0.25W, -55...+125°C"
VD1 VD2 VD4: library part Diode_single, Current=150mA, Manufacturer="Micro Commercial", Package=SOD-323, PartNumber=SMAJ5.0A-TR, Temperature=-55...+150°C, Voltage=75V, VoltageDrop=1V, HelpURL=https://www.digikey.com/product-detail/en/micro-commercial-co/1N4148WX-TP/1N4148WXTPMSCT-ND/717312, RecoveryTime=4ns, TypeDiode="Single diode", ValueManufacturerPartNumber="Single diode, 75V, 150mA, 1V, 4ns, SOD-323, -55...+150°C"
VD3: library part LED_single, Color=GREEN, ColorParameter=Green, Temperature=-55...+150°C, TypeDiode=LED, ValueManufacturerPartNumber="LED, Green, *, *, *, -55...+150°C"
VD5_1 VD5_2 VD5_3 VD5_4 VD5_5 VD5_6 VD5_7 VD5_8 VD5_9 VD5_10 VD5_11 VD5_12 VD5_13 VD5_14 VD5_15 VD5_16 VD5_17 VD5_18 VD5_19 VD5_20 VD5_21 VD5_22 VD5_23 VD5_24 VD5_25 VD6_1 VD6_2 VD6_3 VD6_4 VD6_5 VD6_6 VD6_7 VD6_8 VD6_9 VD6_10 VD6_11 VD6_12 VD6_13 VD6_14 VD6_15 VD6_16 VD6_17 VD6_18 VD6_19 VD6_20 VD6_21 VD6_22 VD6_23 VD6_24 VD6_25: library part Diode_single, Current=150mA, Manufacturer="Micro Commercial", Package=SOD-323, PartNumber=SMAJ24A-TR, Temperature=-55...+150°C, Voltage=75V, VoltageDrop=1V, HelpURL=https://www.digikey.com/product-detail/en/micro-commercial-co/1N4148WX-TP/1N4148WXTPMSCT-ND/717312, RecoveryTime=4ns, TypeDiode="Single diode", ValueManufacturerPartNumber="Single diode, 75V, 150mA, 1V, 4ns, SOD-323, -55...+150°C"
VT1_1 VT1_2 VT1_3 VT1_4 VT1_5 VT1_6 VT1_7 VT1_8 VT1_9 VT1_10 VT1_11 VT1_12 VT1_13 VT1_14 VT1_15 VT1_16 VT1_17 VT1_18 VT1_19 VT1_20 VT1_21 VT1_22 VT1_23 VT1_24 VT1_25: library part BJT_NPN_132, CurrentCE=100mA, CurrentGain=420, Frequency=100MHz, Manufacturer="ON Semiconductor", MaxPower=300mW, Package=SOT-23, PartNumber=КТ229А9, Temperature=-55...+125°C, VoltageCE=45V, VoltageSaturation=0.6V, HelpURL=https://www.digikey.com/product-detail/en/on-semiconductor/BC847CLT1G/BC847CLT1GOSCT-ND/917836, TypeTransistor="NPN transistor", ValueManufacturerPartNumber="NPN transistor, 45V, 100mA, 100MHz, 300mW, 0.6V, 420, SOT-23, -55...+125°C"
VT2_1 VT2_2 VT2_3 VT2_4 VT2_5 VT2_6 VT2_7 VT2_8 VT2_9 VT2_10 VT2_11 VT2_12 VT2_13 VT2_14 VT2_15 VT2_16 VT2_17 VT2_18 VT2_19 VT2_20 VT2_21 VT2_22 VT2_23 VT2_24 VT2_25: library part BJT_PNP_123, CurrentCE=100mA, CurrentGain=220, Frequency=100MHz, Manufacturer="ON Semiconductor", MaxPower=300mW, Package=SOT-23, PartNumber=КТ228А9, Temperature=-55...+125°C, VoltageCE=45V, VoltageSaturation=0.65V, HelpURL=https://www.digikey.com/product-detail/en/on-semiconductor/BC857BLT3G/BC857BLT3GOSCT-ND/2704963, TypeTransistor="PNP transistor", ValueManufacturerPartNumber="PNP transistor, 45V, 100mA, 100MHz, 300mW, 0.65V, 220, SOT-23, -55...+125°C"

## Free pads (board coordinates)
  round 1.524 hole 3.2 unplated: ~(98.85,37) ~(98.85,105) ~(201.15,37) ~(201.15,105)

## Via types
v1: diameter 1.2, hole 0.5, Top Layer to Bottom Layer, tented both sides, 403 vias